# KiCad board !HDMI2USB.kicad_pcb (continued)
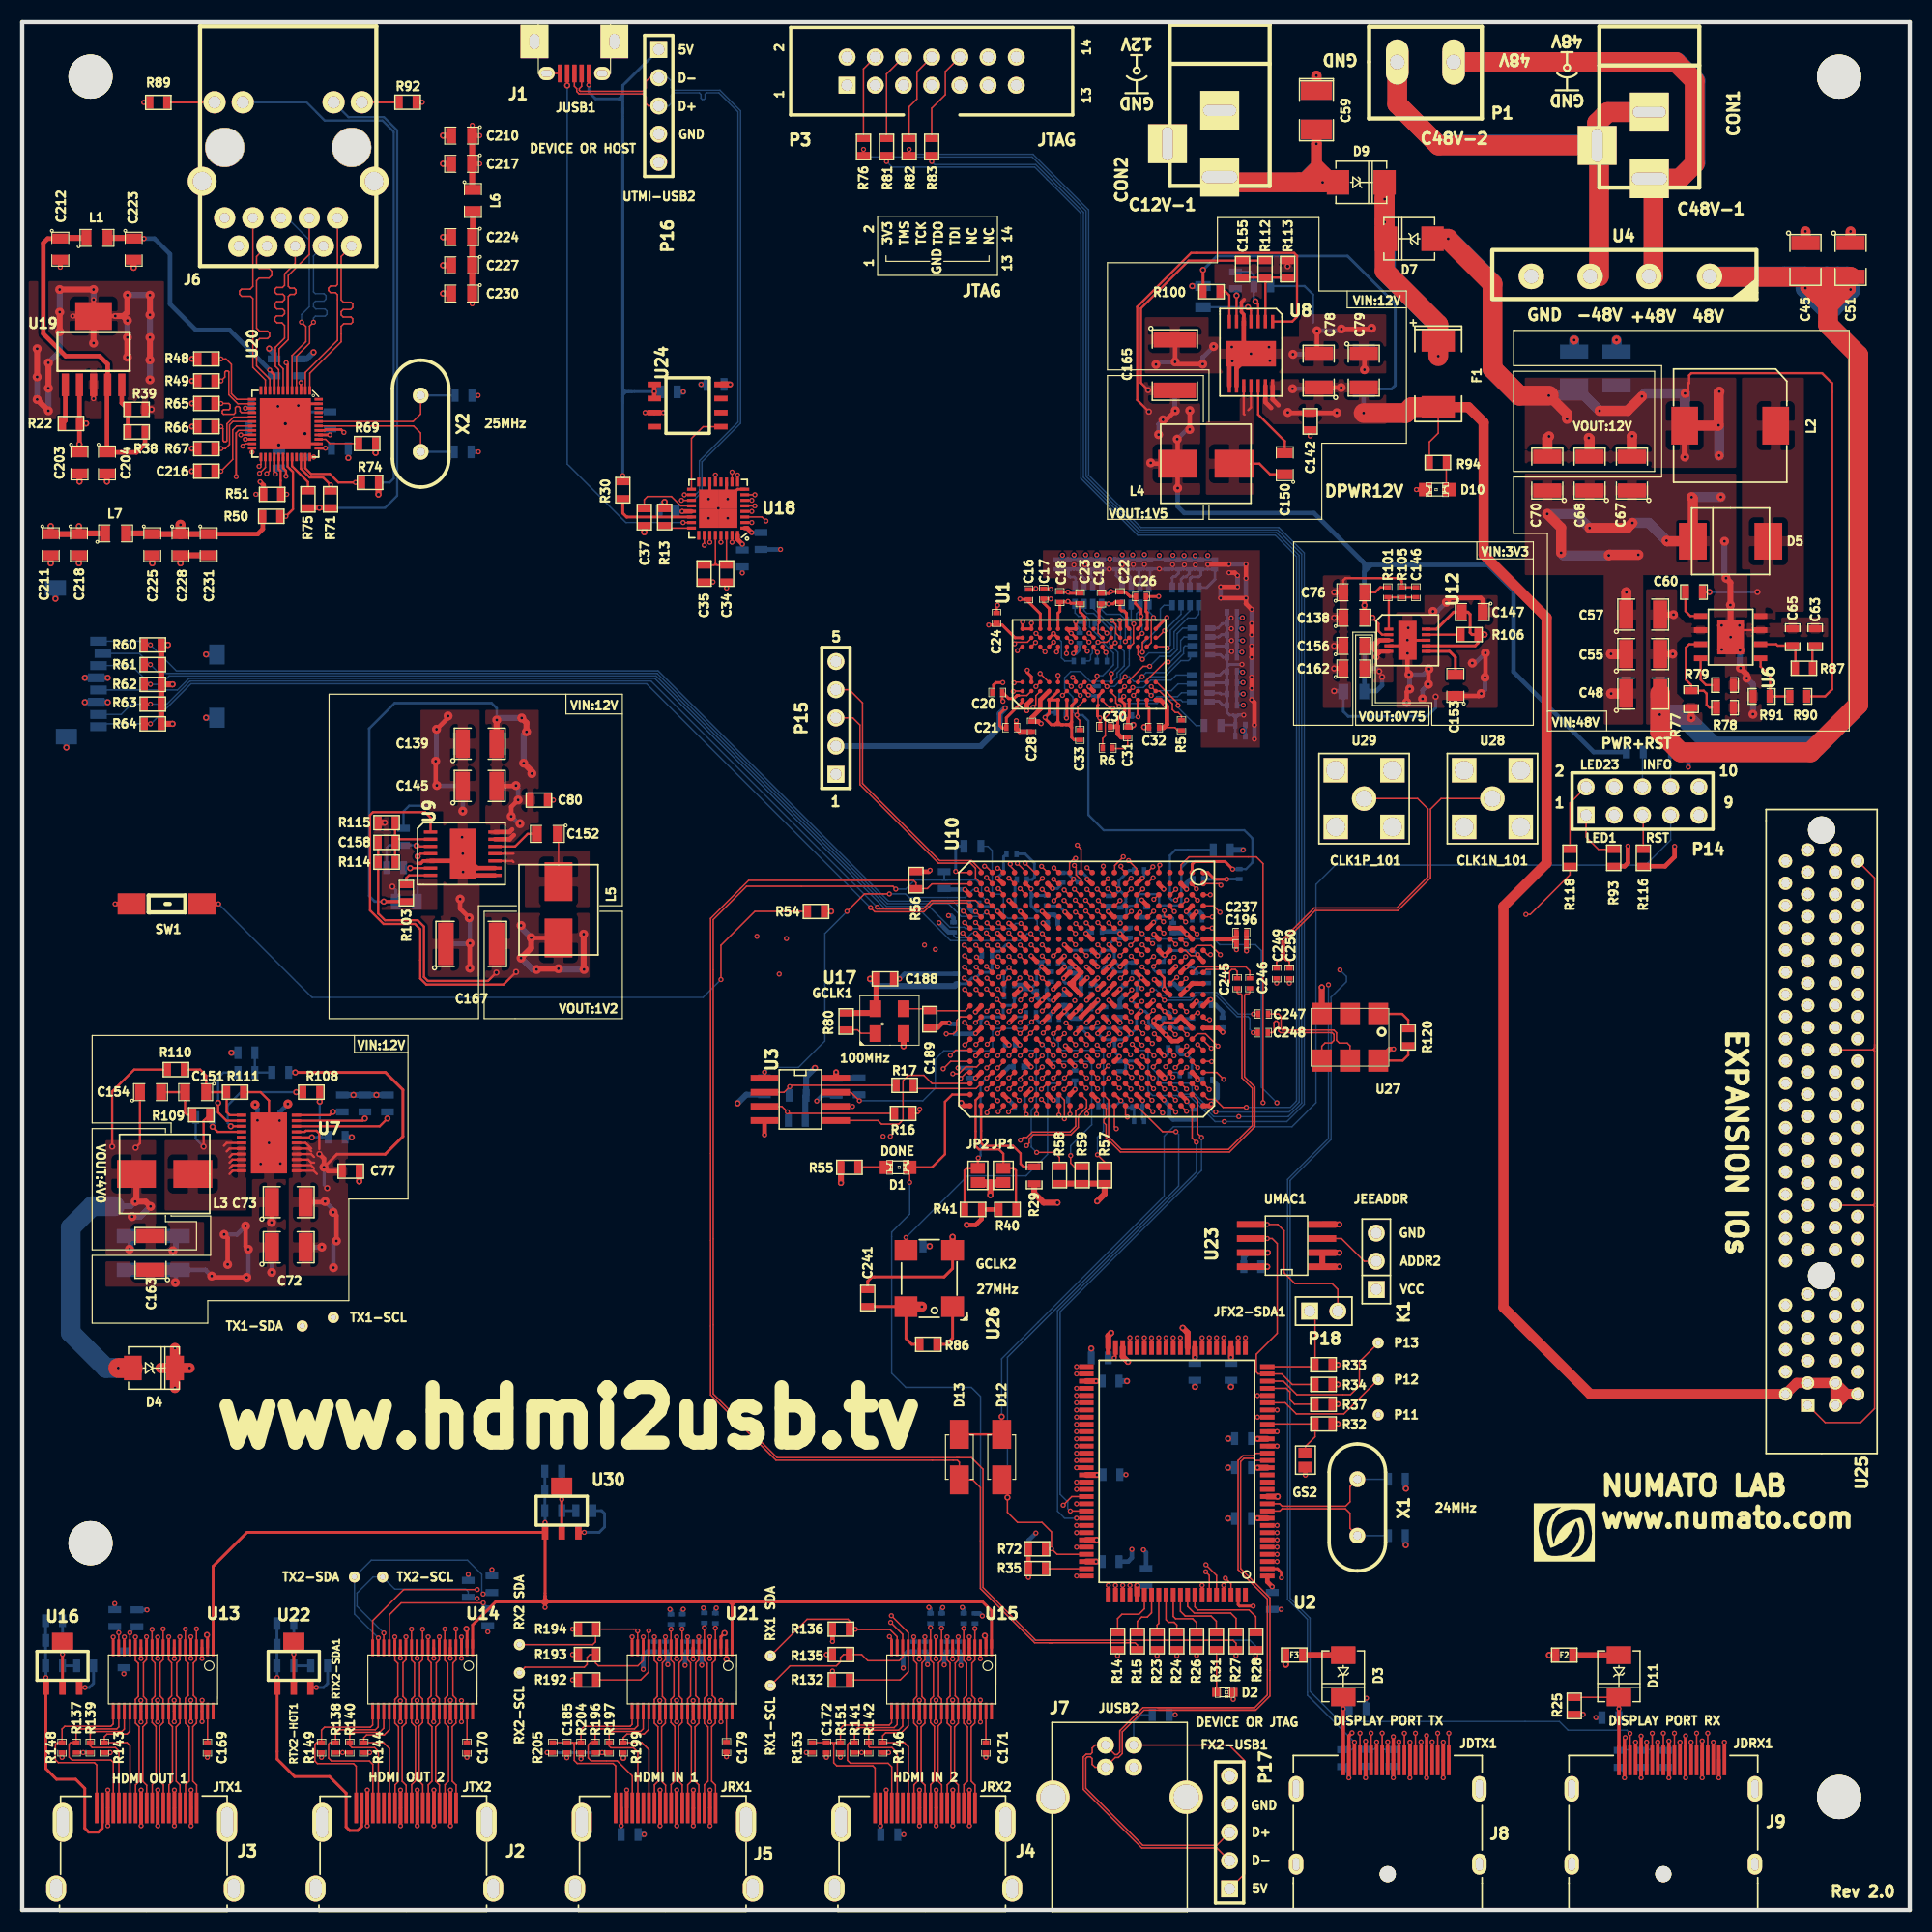
[diagram p0: board, top side]
## Routing (per net, layer and track width the routed paths; a pad name or vN(x,y) marks a point on that pad's centre or on a via; arc(x,y) is an arc through that point) (continued)
  BOTTOM w0.127: v1(74.28,89.92) 72.29,87.93 72.29,78.25 69.92,75.88 67.29,75.88 v1(66.86,75.44) 66.86,74.95 R18.2 ; v1(85.93,91.88) 85.64,91.88 84.93,91.17 79.87,91.17 79.55,91.49 v1(78.1,91.49)
/FPGA_Bank_1_2/SPI_D1_MISO2: length 20.6
  TOP w0.127: v1(91.87,80.95) 92.31,81.39 92.34,81.39 U10.R13 ; v1(80.83,72.11) 80.83,71.85 80.7,71.72 R17.2
  SIGNAL3-X w0.127: v1(91.87,80.95) 90.95,80.95 90.34,80.34 90.34,77.8 89.91,77.36 81.5,77.36 80.83,76.7 v1(80.83,72.11)
/FPGA_Bank_1_2/SPI_D2_MISO3: length 24.4
  TOP w0.127: v1(90.91,79.97) 91.36,80.41 ; v1(75.4,72.87) 74.64,73.62 U3.7
  BOTTOM w0.127: v1(90.91,79.97) 90.32,79.38 87.65,79.38 87.4,79.13 87.4,77.64 87.12,77.36 83.01,77.36 82.24,76.6 82.24,73.99 81.12,72.87 v1(75.4,72.87) 75.4,73.37 R21.1
/FPGA_Bank_1_2/SPI_DO_DIN_MISO1: length 6.4
  TOP w0.127: R16.2 80.53,73.96 85.91,73.96 U10.AA20
/FPGA_Bank_1_2/SPI_MOSI_CSI_N_MISO0: length 16.4
  TOP w0.127: U3.5 77.07,71.08 77.39,70.76 78.95,70.76 79.33,71.14 79.33,74.67 79.82,75.16 81.2,75.16 81.94,74.42 U10.AB20
/FPGA_Bank_1_2/USB_D0: length 77.5
  TOP w0.127: v1(66.99,125.08) 66.63,125.44 U18.3 ; U10.Y14 v1(87.87,79.91)
  SIGNAL2-Y w0.127: v1(87.87,79.91) 88.33,79.45 91.09,79.45 91.34,79.7 91.34,92.25 90.2,93.39 84.84,93.39 84.24,92.79 83.53,92.79 83.32,92.99 83.32,94.49 83.23,94.59 82.97,94.59 82.87,94.49 82.87,92.99 82.68,92.79 70.72,92.79 66.99,96.53 v1(66.99,125.08)
/FPGA_Bank_1_2/USB_D1: length 77.5
  TOP w0.127: U10.W14 v1(87.87,80.91) ; U18.4 65.71,125.94
  SIGNAL2-Y w0.127: v1(65.71,125.94) 66.58,125.07 66.58,96.55 70.69,92.45 71.14,92.45 71.28,92.3 71.28,91.71 71.42,91.58 71.6,91.58 71.73,91.7 71.73,92.29 71.88,92.45 72.1,92.45 72.25,92.3 72.25,91.71 72.39,91.56 72.61,91.56 72.74,91.69 72.74,92.31 72.87,92.45 73.06,92.45 73.2,92.31 73.2,91.69 73.34,91.56 73.57,91.56 73.7,91.68 73.7,92.31 73.83,92.45 74.03,92.45 74.17,92.31 74.17,91.69 74.29,91.57 74.51,91.57 74.62,91.68 74.62,92.31 74.76,92.45 75.01,92.45 75.14,92.31 75.14,91.69 75.25,91.58 75.47,91.58 75.58,91.69 75.58,92.32 75.71,92.45 75.93,92.45 76.06,92.31 76.06,92.14 76.18,92.01 76.34,92.01 76.47,92.14 76.47,92.32 76.59,92.45 88.09,92.45 90.36,90.18 90.36,80.74 90.05,80.44 88.34,80.44 v1(87.87,80.91)
/FPGA_Bank_1_2/USB_D2: length 77.5
  TOP w0.127: v1(86.87,75.83) 87.36,76.32 U10.Y18 ; U18.5 65.98,126.44
  SIGNAL4-Y w0.127: v1(86.87,75.83) 86.53,75.83 86.31,76.05 86.31,81.83 86.89,82.42 91.25,82.42 92.38,83.55 92.38,90.11 92.03,90.47 90.17,90.47 89.39,91.26 89.39,92.03 89.05,92.37 78.31,92.37 67.67,103.01 67.67,118.44 67.55,118.56 67.21,118.56 67.06,118.7 67.06,118.87 67.19,119.01 67.55,119.01 67.67,119.13 67.67,125.63 66.86,126.44 v1(65.98,126.44)
/FPGA_Bank_1_2/USB_D3: length 77.5
  TOP w0.127: U10.W17 v1(87.87,76.92) ; U18.6 65.71,126.94
  SIGNAL4-Y w0.127: v1(65.71,126.94) 66.7,126.94 67.9,125.74 67.9,103.11 78.4,92.6 84.65,92.6 85.43,93.39 89.76,93.39 90.34,92.81 90.34,91.41 91.04,90.7 92.12,90.7 92.61,90.21 92.61,87.1 93.3,86.41 93.3,82.71 93.03,82.43 91.67,82.43 91.35,82.12 91.35,81.68 91.12,81.45 87.65,81.45 87.32,81.12 87.32,77.09 87.49,76.92 v1(87.87,76.92)
/FPGA_Bank_1_2/USB_D4: length 77.6
  TOP w0.127: U18.7 65.99,127.44 ; U10.AA14 85.86,79.91
  SIGNAL2-Y w0.127: v1(65.99,127.44) 65.46,127.44 64.67,128.23 61.22,128.23 60.74,127.75 60.74,89.88 70.77,79.85 73.58,79.85 73.79,79.64 73.79,79.24 73.91,79.13 74.15,79.13 74.26,79.24 74.26,79.6 74.38,79.72 74.59,79.72 74.7,79.6 74.7,79.25 74.83,79.13 75.02,79.13 75.14,79.25 75.14,79.59 75.25,79.7 75.48,79.7 75.6,79.58 75.6,79.24 75.7,79.13 82,79.13 83.24,80.36 85.16,80.36 85.61,79.91 v1(85.86,79.91)
/FPGA_Bank_1_2/USB_D5: length 77.5
  TOP w0.127: v1(83.22,78.89) 83.88,78.89 84.15,79.16 84.15,80.08 84.49,80.42 U10.AB14 ; U18.9 v1(64.43,129.22)
  SIGNAL2-Y w0.127: v1(64.43,129.22) 64.43,128.9 64.21,128.69 63.49,128.69 63.23,128.94 63.23,129.37 62.82,129.78 60.63,129.78 60.26,129.41 60.26,89.69 71.29,78.66 71.82,78.66 71.95,78.79 71.95,79.12 72.05,79.21 72.23,79.21 72.33,79.12 72.33,78.79 72.45,78.66 83,78.66 v1(83.22,78.89)
/FPGA_Bank_1_2/USB_D6: length 77.5
  TOP w0.127: 87.36,78.4 v1(86.91,77.95) ; U18.10 v1(63.93,129.48)
  SIGNAL2-Y w0.127: v1(86.91,77.95) 86.61,77.95 86.13,78.43 71.2,78.43 60.03,89.6 60.03,129.51 60.54,130.01 63.4,130.01 v1(63.93,129.48)
/FPGA_Bank_1_2/USB_D7: length 77.5
  TOP w0.127: 88.36,79.42 v1(87.87,78.93) ; U18.13 62.43,129.22
  SIGNAL2-Y w0.127: v1(87.87,78.93) 86.69,78.93 86.23,79.38 83.11,79.38 82.62,78.9 73.68,78.9 73.56,79.01 73.56,79.49 73.45,79.61 73.14,79.61 73.02,79.49 73.02,79 72.91,78.9 72.68,78.9 72.56,79.02 72.56,79.48 72.43,79.61 71.86,79.61 71.71,79.46 71.71,79.02 71.59,78.9 71.39,78.9 60.49,89.79 60.49,129.28 60.71,129.5 62.15,129.5 v1(62.43,129.22)
/FPGA_Bank_1_2/USB_DIR: length 65.5
  TOP w0.127: U18.31 v1(63.93,123.16) ; U10.W13 v1(87.8,81.98)
  SIGNAL2-Y w0.127: v1(63.93,123.16) 63.93,97.08 72.6,88.42 80.63,88.42 82.63,90.42 88.06,90.42 88.38,90.09 88.38,83.72 88.12,83.46 87.65,83.46 87.41,83.22 87.41,82.37 v1(87.8,81.98)
/FPGA_Bank_1_2/USB_NXT: length 68.3
  TOP w0.127: U10.V13 v1(88.87,80.92) ; U18.2 v1(65.71,124.94)
  SIGNAL2-Y w0.127: v1(88.87,80.92) 89.4,81.45 89.4,89.43 88.38,90.45 88.38,91.13 88.08,91.43 86.66,91.43 85.88,90.65 82.53,90.65 80.53,88.65 72.69,88.65 66.21,95.13 66.21,124.44 v1(65.71,124.94)
/FPGA_Bank_1_2/USB_REFCLK: length 77.5
  TOP w0.127: U18.26 61.43,122.9 ; U10.Y13 v1(86.86,80.91)
  SIGNAL2-Y w0.127: v1(61.43,122.9) 60.97,122.44 60.97,89.97 70.86,80.08 71.22,80.08 71.36,80.22 71.36,80.59 71.47,80.71 71.67,80.71 71.79,80.59 71.79,80.21 71.92,80.08 72.15,80.08 72.27,80.2 72.27,80.57 72.41,80.71 72.62,80.71 72.75,80.58 72.75,80.2 72.87,80.08 73.11,80.08 73.22,80.19 73.22,80.58 73.34,80.7 73.58,80.7 73.7,80.58 73.7,80.19 73.8,80.08 74.01,80.08 74.11,80.19 74.11,80.6 74.22,80.71 74.44,80.71 74.54,80.61 74.54,80.19 74.64,80.09 74.85,80.09 74.95,80.19 74.95,80.6 75.06,80.71 75.25,80.71 75.36,80.6 75.36,80.2 75.48,80.09 75.7,80.09 75.8,80.19 75.8,80.59 75.93,80.71 76.12,80.71 76.26,80.58 76.26,79.48 76.39,79.36 76.55,79.36 76.67,79.48 76.67,80.58 76.79,80.7 76.96,80.7 77.09,80.58 77.09,79.47 77.2,79.36 77.4,79.36 77.52,79.48 77.52,80.57 77.64,80.69 77.84,80.69 77.97,80.57 77.97,79.49 78.1,79.36 78.29,79.36 78.43,79.5 78.43,79.7 78.53,79.8 78.79,79.8 78.9,79.69 78.9,79.48 79.02,79.36 81.9,79.36 83.14,80.59 85.35,80.59 85.53,80.42 86.37,80.42 v1(86.86,80.91)
/FPGA_Bank_1_2/USB_RESETB: length 69.6
  TOP w0.127: U10.V17 88.87,76.92 ; U18.27 61.93,123.16
  SIGNAL2-Y w0.127: v1(88.86,76.92) 88.48,76.92 88.3,77.09 88.3,79.08 87.98,79.4 87.56,79.4 87.36,79.6 87.36,81.14 87.03,81.46 70.36,81.46 61.2,90.62 61.2,122.08 61.93,122.81 v1(61.93,123.16)
/FPGA_Bank_1_2/USB_STP: length 67.2
  TOP w0.127: 88.36,76.35 v1(87.84,75.83) ; U18.29 v1(62.93,123.16)
  SIGNAL2-Y w0.127: v1(68.18,84.28) 61.43,91.02 61.43,121.67 v1(62.93,123.16)
  SIGNAL4-Y w0.127: v1(68.18,84.28) 76.15,76.3 84.8,76.3 85.72,75.38 87.4,75.38 v1(87.84,75.83)
/FPGA_Bank_1_2/USRCLK: length 6.3
  TOP w0.127: 85.34,81.39 U10.AB13 84.92,80.97 C189.2 81.56,81.15 U17.3
/FPGA_Power/DONE: length 84.6
  TOP w0.127: v1(111.1,22.89) 111.1,22.89 R28.2 ; D1.2 v1(79.93,65.51)
  TOP w0.203: D1.2 81.93,66.87 83.11,68.04 83.11,72.77 83.76,73.42 U10.AB21
  BOTTOM w0.127: v1(79.93,65.51) 79.93,62.65 78.31,61.03 78.31,48.32 79.58,47.05 85.49,47.05 86.31,46.23 86.31,28.93 90.96,24.28 110.58,24.28 111.1,23.75 v1(111.1,22.89)
/FPGA_Power/PROG_B: length 123.2
  TOP w0.127: U10.AB2 85.34,92.39 81.93,92.39 81.51,91.97 R56.1 80.5,92.49 80.28,92.71 65.43,92.71 62,89.28 62,46.37 67.89,40.49 84.22,40.49 84.4,40.31 84.4,38.72 85.61,38.72 86.3,38.03 86.3,28.93 91.18,24.05 92.47,24.05 ; 92.79,24.05 100.23,24.05 100.43,23.85 R15.2 ; 92.79,24.05 92.47,24.05 ; 92.79,24.05 92.47,24.05
/FPGA_Power/RFS: length 17.1
  TOP w0.127: 93.36,79.41 v1(92.87,78.91) ; R57.1 97.48,67.35 v1(96.84,68)
  BOTTOM w0.127: v1(96.84,68) 96.84,69.58 97.38,70.12 97.38,77.16 97.13,77.41 93.65,77.41 93.33,77.72 93.33,78.06 92.87,78.53 v1(92.87,78.91)
/FPGA_Power/SUSPEND: length 9.6
  TOP w0.203: R29.2 90.19,66.91 89.91,67.18 89.91,68.12 89.23,68.81 86.6,68.81 86.36,69.05 U10.AA22
/FPGA_Power/TCK: length 183.7
  TOP w0.127: v1(110.24,72.27) 108.15,72.27 107.44,72.99 106.79,72.99 U10.A21 ; v1(77.85,157.46) R81.2 ; R26.2 105.77,22.89
  SIGNAL1-X w0.127: v1(110.24,72.27) 110.76,71.76 110.76,53.36 114.58,49.54 114.58,25.26 112.79,23.47 106.01,23.47 105.77,23.22 v1(105.77,22.89)
  BOTTOM w0.127: v1(110.24,72.27) 114.2,72.27 114.77,72.85 114.77,121.88 112.85,123.8 100.46,123.8 95.35,128.91 95.35,152.79 91.19,156.95 78.35,156.95 v1(77.85,157.46)
/FPGA_Power/TMS: length 193
  TOP w0.127: 103.37,74.41 v1(103.83,73.94) ; R24.2 v1(103.99,22.89) ; v1(75.77,158.55) R76.2
  SIGNAL1-X w0.127: v1(109.57,71.44) 110.06,71.44 110.53,70.97 110.53,53.24 114.35,49.42 114.35,25.35 112.7,23.7 104.22,23.7 103.99,23.47 v1(103.99,22.89)
  BOTTOM w0.127: v1(75.77,158.55) 75.77,158.11 76,157.87 90.95,157.87 95.81,153.01 95.81,129.11 100.65,124.26 113.08,124.26 115.23,122.11 115.23,72.65 114.02,71.44 v1(109.57,71.44) 107.31,71.44 105.29,73.45 104.32,73.45 v1(103.83,73.94)
/FPGA_Power/VFS: length 14.9
  TOP w0.127: 90.37,77.41 v1(89.87,76.92) ; v1(91.36,68.21) 92.97,68.21 93.42,67.76 R58.1
  BOTTOM w0.127: v1(89.87,76.92) 90.36,77.41 91.09,77.41 91.34,77.16 91.34,72.49 90.88,72.04 90.88,68.69 v1(91.36,68.21)
/GPIOs/PRSNT: length 65
  TOP w0.127: 166.83,77.33 166.7,77.45 166.65,77.45 ; 166.83,77.33 166.83,63.58 ; 166.83,77.33 166.83,77.91 ; 166.65,77.45 166.83,77.63 166.83,77.91 ; 166.65,77.45 U25.B31 ; U25.B48 166.83,92.93 166.83,77.91 ; U25.B17 166.68,63.45 ; U25.A1 162.38,43.88 165.57,43.88 166.83,45.14 166.83,63.33 ; 166.83,63.33 166.71,63.45 166.68,63.45 ; 166.83,63.33 166.83,63.58 ; 166.68,63.45 166.7,63.45 166.83,63.58
/HDMI/HDMI-TX1-VCC5V0: length 25.2
  TOP w0.254: 7.21,9.49 7.21,7.35 6.85,6.99 5.99,6.99 5.64,7.35 5.64,10.93 4.81,11.76 3.09,11.76 2.13,12.71 U16.1 2.13,20.91
  BOTTOM w0.254: R195.1 C175.1 C205.1 2.13,21.95 v1(2.13,20.91)
/HDMI/HDMI-TX2-VCC5V0: length 26.4
  TOP w0.254: 30.58,9.49 30.58,7.5 30.22,7.15 29.49,7.15 29.17,7.47 29.17,10.51 27.68,12 24.53,12 22.96,13.57 U22.1 22.96,20.91
  BOTTOM w0.254: v1(22.96,20.91) 22.96,21.95 ; 22.95,25.77 C252.1 22.95,21.98
/HDMI/HDMI_VCC5V0: length 204.1
  TOP w0.254: U13.1 17.19,30.94 20.25,33.99 U30.1 ; U30.1 47.09,28.26 ; U30.1 47.09,34.88 ; 64.21,27.73 86.5,27.73 87.3,26.93 U15.1 ; 64.21,27.73 63.93,27.45 ; 64.21,27.73 63.7,27.73 ; 47.09,28.26 47.09,28.05 47.41,27.73 47.6,27.73 ; 47.09,28.26 47.09,28.21 ; 47.6,27.73 63.7,27.73 ; 47.6,27.73 47.35,27.73 47.09,27.47 v1(47.09,27.24) 47.09,27.45 46.81,27.73 ; 46.81,27.73 47.09,28.01 47.09,28.21 ; 46.81,27.73 42.63,27.73 40.56,25.66 U14.1 ; 63.93,27.45 U21.1 ; 63.93,27.45 63.93,27.49 63.7,27.73 ; 47.09,28.21 47.09,27.24 ; v1(70.62,14.16) R153.1 ; R139.1 v1(5.49,14.16) R137.1 ; R141.1 v1(75.6,14.16) R142.1 ; R140.1 v1(28.86,14.16) R138.1
  TOP w0.406: R197.1 52.86,14.16 v1(52.23,14.16) 51.6,14.16 R196.1 ; v1(47.28,14.16) R205.1
  PWR w0.254: v1(47.28,14.16) 47.09,14.35 47.09,14.61 ; 47.09,14.61 46.93,14.77 46.88,14.77 ; 47.09,14.61 47.09,15.43 ; 46.88,14.77 29.13,14.77 ; 46.88,14.77 47.09,14.99 47.09,15.43 ; 47.09,15.43 v1(47.09,27.24) ; 29.13,14.77 28.86,14.5 v1(28.86,14.16) 28.86,14.48 28.57,14.77 ; 29.13,14.77 28.57,14.77 ; 28.57,14.77 6.8,14.77 6.19,14.16 v1(5.49,14.16) ; v1(75.6,14.16) 75.12,14.63 70.81,14.63 ; 70.81,14.63 70.62,14.45 v1(70.62,14.16) 70.62,14.38 70.36,14.63 ; 70.81,14.63 70.36,14.63 ; 70.36,14.63 52.71,14.63 v1(52.23,14.16)
  BOTTOM w0.254: v1(47.09,34.88) 47.09,35.92 ; C208.1 C206.1 R121.1 ; v1(52.23,14.16) 47.28,14.16
  BOTTOM w0.406: v1(47.28,14.16) 47.28,14.16
/HDMI/P1-CEC: length 12.3
  TOP w0.127: 79.81,9.49 79.81,14.69 79.44,15.06 R146.2 77.5,15.67 77.76,15.94 79.17,15.94 79.8,16.56 U15.23
/HDMI/P1-HOT: length 19.4
  TOP w0.127: R151.2 73.69,16.32 74,16.63 78.09,16.63 78.3,16.84 U15.20 ; R151.2 73.24,15.06 73.08,14.91 ; R151.2 72.93,15.06 ; 73.08,14.91 73.08,13.24 73.36,12.96 76.61,12.96 76.81,12.76 76.81,9.49 ; 73.08,14.91 72.93,15.06 ; 72.93,15.06 C172.2 R153.2
/HDMI/P1-SCL: length 13.3
  TOP w0.127: U15.22 79.3,16.54 78.93,16.17 76.61,16.17 76.23,15.79 R142.2 76.23,14.71 76.33,14.61 78.34,14.61 78.81,14.13 78.81,9.49
/HDMI/P1-SDA: length 16.1
  TOP w0.127: U15.21 78.8,16.68 78.52,16.4 75.24,16.4 74.96,16.12 R141.2 74.49,15.06 74.33,14.9 74.33,13.46 74.59,13.2 77.99,13.2 78.31,12.87 78.31,9.49
/HDMI/P2-CEC: length 12.6
  TOP w0.127: U13.23 9.69,16.08 9.44,15.82 7.64,15.82 7.4,15.58 R143.2 9.44,15.06 9.71,14.79 9.71,9.49
/HDMI/P2-HOT: length 16.7
  TOP w0.127: 6.71,9.49 6.71,13.05 6.5,13.25 3.26,13.25 2.99,13.51 2.99,14.89 3.16,15.06 R148.2 3.59,16.28 3.83,16.52 7.98,16.52 8.19,16.73 U13.20
/HDMI/P2-SCL: length 13.5
  TOP w0.127: U13.22 9.19,16.27 8.98,16.05 6.36,16.05 6.13,15.82 R139.2 6.13,14.79 6.3,14.61 8.39,14.61 8.71,14.29 8.71,9.49
/HDMI/P2-SDA: length 16.2
  TOP w0.127: U13.21 8.69,16.47 8.51,16.28 5.13,16.28 4.86,16.01 R137.2 4.36,15.06 4.22,14.92 4.22,13.75 4.49,13.48 7.99,13.48 8.21,13.27 8.21,9.49
/HDMI/P3-CEC: length 12.2
  TOP w0.127: 56.44,9.49 56.44,14.42 55.81,15.06 R199.2 54.13,15.5 54.46,15.83 56.01,15.83 56.43,16.25 U21.23
/HDMI/P3-HOT: length 19.4
  TOP w0.127: R204.2 50.32,16.22 50.63,16.52 54.76,16.52 54.93,16.69 U21.20 ; R204.2 49.87,15.06 49.72,14.91 ; R204.2 49.56,15.06 ; R205.2 C185.2 49.56,15.06 ; 49.56,15.06 49.72,14.9 49.72,13.45 49.99,13.18 53.21,13.18 53.44,12.95 53.44,9.49
/HDMI/P3-SCL: length 13.4
  TOP w0.127: U21.22 55.93,16.29 55.7,16.06 53.13,16.06 52.86,15.8 R197.2 52.86,14.74 53.01,14.59 55.05,14.59 55.44,14.19 55.44,9.49
/HDMI/P3-SDA: length 15.5
  TOP w0.127: 54.94,9.49 54.94,12.05 53.58,13.41 51.23,13.41 50.97,13.68 50.97,14.85 51.17,15.06 R196.2 51.59,16.11 51.78,16.29 55.15,16.29 55.43,16.57 U21.21
/HDMI/P4-CEC: length 12.3
  TOP w0.127: U14.23 33.06,16.21 32.6,15.75 31.02,15.75 30.77,15.49 R144.2 32.54,15.06 33.08,14.53 33.08,9.49
/HDMI/P4-HOT: length 16.7
  TOP w0.127: 30.08,9.49 30.08,12.93 29.84,13.17 26.59,13.17 26.36,13.39 26.36,14.9 26.52,15.06 R149.2 26.96,16.17 27.22,16.44 31.36,16.44 31.56,16.64 U14.20
/HDMI/P4-SCL: length 13.3
  TOP w0.127: U14.22 32.56,16.36 32.18,15.98 29.78,15.98 29.5,15.7 R140.2 29.5,14.81 29.7,14.61 31.74,14.61 32.08,14.27 32.08,9.49
/HDMI/P4-SDA: length 16.1
  TOP w0.127: 31.58,9.49 31.58,13.1 31.27,13.4 27.85,13.4 27.59,13.66 27.59,14.93 27.72,15.06 R138.2 28.23,15.84 28.59,16.21 31.8,16.21 32.06,16.47 U14.21
/HDMI/TMDS-RX1-0_N: length 125.5
  TOP w0.127: v1(98.53,70.34) 98.36,70.51 U10.J22 ; 81.81,9.49 81.81,11.27 82.15,11.61 82.15,16.51 81.8,16.86 U15.27 81.8,18.95 82.07,19.22 82.07,22.22 81.8,22.49 U15.12 v1(81.8,25.41)
  SIGNAL1-X w0.127: v1(98.53,70.34) 98.53,69.91 98.12,69.49 96.91,69.49 91.05,63.63 79.2,63.63 73.28,57.71 73.28,38.61 73.99,37.9 80.59,37.9 80.79,37.7 80.79,37.48 80.62,37.31 73.42,37.31 73.1,36.98 73.1,36.56 73.42,36.24 81.98,36.24 82.17,36.04 82.17,35.79 81.95,35.57 73.43,35.57 73.1,35.24 73.1,34.82 73.43,34.49 81.95,34.49 82.17,34.27 82.17,33.99 81.97,33.79 80.77,33.79 80.63,33.66 80.63,33.48 80.77,33.35 82.01,33.35 82.17,33.18 82.17,26.26 81.8,25.88 v1(81.8,25.41)
  BOTTOM w0.127: v1(81.8,25.41) 81.8,25.83
/HDMI/TMDS-RX1-0_P: length 125.4
  TOP w0.127: v1(82.8,25.36) 82.8,25.36 U15.10 82.8,22.51 82.53,22.24 82.53,19.23 82.8,18.97 U15.29 82.8,16.87 82.48,16.55 82.48,11.58 82.81,11.25 82.81,9.49 ; 98.39,74.41 v1(98.81,73.99)
  SIGNAL1-X w0.127: 74.1,38.13 80.83,38.13 81.02,37.94 81.02,37.3 80.8,37.08 73.52,37.08 73.33,36.89 73.33,36.66 73.53,36.47 82.07,36.47 82.4,36.13 82.4,35.7 82.05,35.34 73.53,35.34 73.33,35.14 73.33,34.92 73.52,34.72 82.04,34.72 82.4,34.36 82.4,26.29 82.8,25.89 v1(82.8,25.36) ; v1(98.81,73.99) 98.81,73.48 98.53,73.21 98.53,72.09 98.94,71.68 98.94,69.94 98.26,69.26 97.02,69.26 91.15,63.39 79.29,63.39 73.51,57.62 73.51,38.71 74.09,38.13
  BOTTOM w0.127: v1(82.8,25.36) 82.8,25.78
/HDMI/TMDS-RX1-1_N: length 125.5
  TOP w0.127: 83.31,9.49 83.31,11.25 83.64,11.58 83.64,16.49 83.31,16.81 83.31,17.89 ; U10.H22 99.36,71.57 v1(99.54,71.4) ; U15.30 83.3,18.98 83.57,19.25 83.57,22.24 83.3,22.51 U15.9 83.3,24.57
  SIGNAL1-X w0.127: v1(99.54,71.4) 99.73,71.21 99.73,69.31 92.99,62.57 79.73,62.57 74.7,57.54 74.7,45.24 75.6,44.34 83.51,44.34 83.66,44.19 83.66,43.98 83.51,43.83 75,43.83 74.7,43.54 74.7,43.16 75.01,42.85 83.5,42.85 83.66,42.7 83.66,42.49 83.48,42.32 75.31,42.32 75.05,42.06 75.05,41.64 75.32,41.37 82.85,41.37 82.99,41.23 82.99,40.98 82.85,40.84 82.58,40.84 82.46,40.73 82.46,40.57 82.57,40.46 83.48,40.46 83.69,40.24 83.69,25.31 83.3,24.91 v1(83.3,24.57)
  BOTTOM w0.127: R150.1 v1(83.3,24.57)
/HDMI/TMDS-RX1-1_P: length 125.5
  TOP w0.127: 84.31,9.49 84.31,11.24 83.97,11.58 83.97,16.47 84.31,16.81 84.31,17.89 ; v1(99.86,72.92) 99.37,73.42 ; U15.32 84.3,19 84.03,19.27 84.03,22.22 84.3,22.49 U15.7 v1(84.3,24.57)
  SIGNAL1-X w0.127: v1(84.3,24.57) 84.3,24.92 83.92,25.3 83.92,40.77 83.09,41.6 75.42,41.6 75.28,41.74 75.28,41.94 75.43,42.09 83.58,42.09 83.89,42.4 83.89,42.79 83.6,43.08 75.11,43.08 74.93,43.26 74.93,43.44 75.09,43.6 83.62,43.6 83.89,43.87 83.89,44.28 83.6,44.57 75.7,44.57 74.93,45.34 74.93,57.45 79.82,62.34 93.08,62.34 99.96,69.21 99.96,72.82 v1(99.86,72.92)
  BOTTOM w0.127: R128.1 v1(84.3,24.57)
/HDMI/TMDS-RX1-2_N: length 125.6
  TOP w0.127: v1(84.8,25.34) U15.6 84.8,22.47 85.07,22.2 85.07,19.29 84.8,19.02 U15.33 84.8,16.81 85.13,16.47 85.13,11.58 84.81,11.26 84.81,9.49 ; 96.36,75.41 v1(96.86,74.92)
  SIGNAL1-X w0.127: 85.56,27.7 88.17,27.7 88.34,27.53 88.34,27.29 88.16,27.11 85.56,27.11 85.17,26.72 85.17,26.2 84.8,25.83 v1(84.8,25.34) ; v1(96.86,74.92) 97.28,74.5 99.08,74.5 99.38,74.2 99.38,73.62 99.57,73.44 99.93,73.44 100.27,73.11 100.27,68.47 93.14,61.35 86.05,61.35 85.17,60.47 85.17,40.38 85.5,40.05 88.1,40.05 88.29,39.87 88.29,39.57 88.08,39.36 85.6,39.36 85.26,39.02 85.26,38.62 85.58,38.3 88.11,38.3 88.29,38.11 88.29,37.89 88.12,37.72 85.56,37.72 85.17,37.33 85.17,36.94 85.51,36.61 88.11,36.61 88.29,36.43 88.29,36.16 88.11,35.98 85.54,35.98 85.17,35.61 85.17,35.19 85.55,34.81 88.09,34.81 88.29,34.6 88.29,34.34 88.08,34.13 85.54,34.13 85.17,33.76 85.17,33.32 85.55,32.94 88.19,32.94 88.37,32.76 88.37,32.53 88.17,32.33 85.55,32.33 85.17,31.96 85.17,31.49 85.49,31.18 88.22,31.18 88.36,31.04 88.36,30.76 88.22,30.62 85.56,30.62 85.17,30.24 85.17,29.73 85.5,29.4 88.24,29.4 88.36,29.28 88.36,28.98 88.23,28.86 85.58,28.86 85.24,28.51 85.24,28.03 85.56,27.71
  BOTTOM w0.127: 84.8,25.27 v1(84.8,25.34) 84.8,25.79
/HDMI/TMDS-RX1-2_P: length 125.6
  TOP w0.127: 85.81,9.49 85.81,11.24 85.47,11.58 85.47,16.49 85.8,16.82 U15.35 85.8,19.02 85.53,19.28 85.53,22.22 85.8,22.49 U15.4 85.8,25.32 ; U10.K20 v1(97.86,74.92)
  SIGNAL1-X w0.127: 88.52,37.77 88.24,37.49 85.66,37.49 85.45,37.28 85.45,37.05 85.67,36.84 88.21,36.84 88.52,36.53 88.52,36.05 88.22,35.75 85.64,35.75 85.4,35.52 85.4,35.28 85.65,35.04 88.18,35.04 88.52,34.7 88.52,34.24 88.17,33.89 85.63,33.89 85.43,33.69 85.43,33.39 85.65,33.17 88.29,33.17 88.6,32.85 88.6,32.43 88.27,32.1 85.65,32.1 85.4,31.86 85.4,31.65 85.64,31.41 88.32,31.41 88.59,31.13 88.59,30.66 88.32,30.39 85.65,30.39 85.4,30.14 85.4,29.83 85.6,29.63 88.34,29.63 88.59,29.38 88.59,28.87 88.34,28.63 85.68,28.63 85.47,28.42 85.47,28.14 85.67,27.94 88.41,27.94 88.68,27.67 88.68,27.21 88.35,26.88 85.72,26.88 85.4,26.56 85.4,26.23 85.8,25.83 v1(85.8,25.32) ; 88.52,37.77 88.52,38.21 88.21,38.53 85.68,38.53 85.49,38.71 85.49,38.92 85.69,39.12 88.18,39.12 88.52,39.47 88.52,39.97 88.21,40.28 85.61,40.28 85.4,40.49 85.4,60.35 86.16,61.11 93.23,61.11 100.5,68.37 100.5,73.21 100.25,73.45 100.25,74.15 99.94,74.46 99.61,74.46 99.4,74.67 99.4,75.06 99.13,75.33 98.28,75.33 v1(97.86,74.92)
  BOTTOM w0.127: 85.8,25.27 v1(85.8,25.32) 85.8,25.78
/HDMI/TMDS-RX1-CEC: length 89.8
  TOP w0.127: v1(96.81,77.87) 97.27,77.42 U10.K17 ; v1(78.28,26.49) 79.8,24.96 U15.16 79.8,21.43 79.07,20.7 R132.2
  SIGNAL1-X w0.127: 96.72,77.87 v1(96.81,77.87) 97.37,77.32 97.37,76.77 97.02,76.43 94.66,76.43 94.33,76.1 94.33,72.6 93.98,72.25 93,72.25 91,70.25 89.74,70.25 89.42,69.93 89.42,68.68 86.87,66.13 78.09,66.13 70.58,58.62 70.58,27.43 71.53,26.49 v1(78.28,26.49)
/HDMI/TMDS-RX1-CLK_N: length 125.5
  TOP w0.127: 80.31,9.49 80.31,11.25 80.63,11.56 80.63,16.49 80.3,16.81 U15.24 80.3,18.94 80.57,19.21 80.57,22.18 80.3,22.45 U15.15 80.3,24.57 ; U10.M19 95.86,74.92
  SIGNAL1-X w0.127: v1(80.3,24.57) 80.3,25.02 80.7,25.43 80.7,26.58 80.32,26.96 72.01,26.96 71.75,27.22 71.75,27.65 72.03,27.92 80.22,27.92 80.36,28.06 80.36,28.29 80.23,28.42 72.03,28.42 71.75,28.7 71.75,29.18 72.1,29.53 80.19,29.53 80.35,29.7 80.35,29.98 80.21,30.12 78.88,30.12 78.6,30.4 78.6,31.61 78.39,31.81 72.65,31.81 71.75,32.71 71.75,58.17 78.66,65.07 90.58,65.07 95.24,69.73 95.24,74.02 95.86,74.64 v1(95.86,74.92)
  BOTTOM w0.127: R145.1 v1(80.3,24.57)
/HDMI/TMDS-RX1-CLK_P: length 125.5
  TOP w0.127: 81.31,9.49 81.31,11.21 80.96,11.57 80.96,16.47 81.3,16.81 U15.26 81.3,18.93 81.03,19.2 81.03,22.24 81.3,22.51 U15.13 v1(81.3,24.57) ; v1(95.83,73.99) 95.4,74.41
  SIGNAL1-X w0.127: 81.3,25.05 80.93,25.42 80.93,26.68 80.42,27.19 72.13,27.19 71.99,27.33 71.99,27.55 72.13,27.69 80.42,27.69 80.59,27.87 80.59,28.39 80.33,28.65 72.23,28.65 72.01,28.88 72.01,29.1 72.21,29.3 80.29,29.3 80.58,29.59 80.58,30.07 80.3,30.35 78.98,30.35 78.83,30.51 78.83,31.03 79,31.2 79.33,31.2 79.47,31.35 79.47,31.86 79.29,32.05 72.83,32.05 71.99,32.89 71.99,58.07 78.74,64.83 90.67,64.83 95.47,69.63 ; 95.47,69.63 95.47,73.5 95.83,73.86 v1(95.83,73.99) ; 81.3,25.05 v1(81.3,24.57)
  BOTTOM w0.127: v1(81.3,24.57) 81.3,24.16
/HDMI/TMDS-RX1-HOT: length 72.1
  TOP w0.127: 89.35,75.42 v1(88.86,74.93) ; v1(78.1,24.6) 78.3,24.41 U15.19
  SIGNAL1-X w0.127: v1(88.86,74.93) 88.37,74.44 88.37,71.46 88.64,71.2 88.64,68.89 86.57,66.83 77.78,66.83 69.89,58.94 69.89,27.11 72.4,24.6 v1(78.1,24.6)
/HDMI/TMDS-RX1-SCL: length 96
  TOP w0.127: v1(78.22,25.88) 79.3,24.8 U15.17 79.3,22.75 78.98,22.43 76.16,22.43 75.6,22.99 R135.2 73.97,22.99 73.69,22.71 73.69,22.33 73.32,21.97 69.16,21.97 P8.1 ; 96.37,77.42 v1(96.84,76.95)
  SIGNAL1-X w0.127: v1(96.84,76.95) 96.41,77.38 93.7,77.38 93.37,77.05 93.37,72.67 93.18,72.48 90.64,72.48 89.12,70.96 89.12,68.72 86.77,66.36 77.97,66.36 70.35,58.74 70.35,27.3 71.78,25.88 v1(78.22,25.88)
/HDMI/TMDS-RX1-SDA: length 88.6
  TOP w0.127: 78.13,25.26 78.8,24.59 U15.18 ; 78.13,25.26 74.52,25.26 ; 78.13,25.26 75.04,25.26 ; 74.52,25.26 R136.2 ; 74.52,25.26 R136.2 ; R136.2 74.5,26.04 74.37,26.16 70.69,26.16 P7.1 ; U10.T18 v1(91.86,76.92)
  SIGNAL1-X w0.127: v1(91.86,76.92) 91.32,76.37 91.32,74.61 91.13,74.42 90.58,74.42 90.33,74.18 90.33,72.5 88.87,71.03 88.87,68.79 86.67,66.59 77.87,66.59 70.12,58.84 70.12,27.21 72.06,25.27 v1(75.03,25.27)
/HDMI/TMDS-RX2-0_N: length 125.3
  TOP w0.127: 58.44,9.49 58.44,11.27 58.78,11.61 58.78,16.51 58.43,16.86 58.43,17.9 ; 58.43,23.61 58.43,22.5 58.7,22.23 58.7,19.23 58.43,18.96 58.43,17.91 ; v1(89.9,69.31) 90.14,69.56 90.49,69.56 90.97,70.04 94.36,70.04 94.88,70.56 94.88,71.93 U10.M22 ; U21.12 v1(58.43,25.27)
  SIGNAL3-X w0.127: v1(89.9,69.31) 89.9,68.97 89.34,68.42 69.55,68.42 68.98,67.85 68.98,61.73 68.86,61.61 68.32,61.61 68.2,61.5 68.2,61.36 68.31,61.25 68.86,61.25 68.97,61.14 68.97,61 68.85,60.88 65.73,60.88 65.47,60.62 65.47,60.16 65.71,59.92 68.83,59.92 68.98,59.77 68.98,59.46 68.78,59.26 59.5,59.26 59.18,58.94 59.18,58.47 59.5,58.15 68.8,58.15 68.99,57.96 68.99,57.74 68.8,57.55 59.4,57.55 58.81,56.96 58.81,26.02 58.43,25.63 v1(58.43,25.27)
  BOTTOM w0.127: R201.2 58.43,25.7 v1(58.43,25.27)
/HDMI/TMDS-RX2-0_P: length 125.3
  TOP w0.127: 59.44,9.49 59.44,11.25 59.11,11.58 59.11,16.55 59.43,16.87 59.43,17.9 ; 59.43,17.91 59.43,18.98 59.16,19.24 59.16,22.25 59.43,22.52 59.43,23.61 ; v1(90.45,68.82) 90.69,69.06 90.69,69.44 91.06,69.81 94.45,69.81 95.11,70.47 95.11,71.5 95.86,72.26 95.86,72.92 U10.M21 ; U21.10 59.43,25.28
  SIGNAL3-X w0.127: v1(90.45,68.82) 90.07,68.82 89.43,68.18 69.69,68.18 69.22,67.71 69.22,60.9 68.96,60.65 65.83,60.65 65.7,60.52 65.7,60.29 65.84,60.15 68.92,60.15 69.22,59.86 69.22,59.33 68.92,59.03 59.61,59.03 59.43,58.85 59.43,58.57 59.61,58.38 68.89,58.38 69.22,58.06 69.22,57.64 68.9,57.32 59.5,57.32 59.04,56.87 59.04,26.01 59.43,25.62 v1(59.43,25.28)
  BOTTOM w0.127: R190.1 59.43,25.7 v1(59.43,25.28)
/HDMI/TMDS-RX2-1_N: length 125.3
  TOP w0.127: 59.94,9.49 59.94,11.25 60.27,11.58 60.27,16.49 59.94,16.81 59.94,17.89 ; 59.93,17.91 59.93,18.99 60.2,19.26 60.2,22.25 59.93,22.52 59.93,23.61 ; U10.N22 v1(94.36,71.66) ; U21.9 59.93,24.57
  SIGNAL3-X w0.127: v1(94.36,71.66) 94.36,74.02 94.08,74.3 93.61,74.3 93.33,74.03 93.33,72.72 92.71,72.1 92.71,68.23 91.7,67.23 70.61,67.23 70.03,66.64 70.03,56.45 69.82,56.24 67.47,56.24 67.27,56.04 67.27,55.58 67.48,55.38 69.85,55.38 70.03,55.19 70.03,54.9 69.84,54.71 60.56,54.71 60.29,54.44 60.29,53.97 60.52,53.74 69.82,53.74 70.03,53.53 70.03,53.25 69.8,53.02 60.84,53.02 60.29,52.47 60.29,25.36 59.93,24.99 v1(59.93,24.57)
  BOTTOM w0.127: R200.2 59.93,24.16 v1(59.93,24.57)
